# Altium PCB foxbms2-master.PcbDoc (part 1 of 11) (continued)
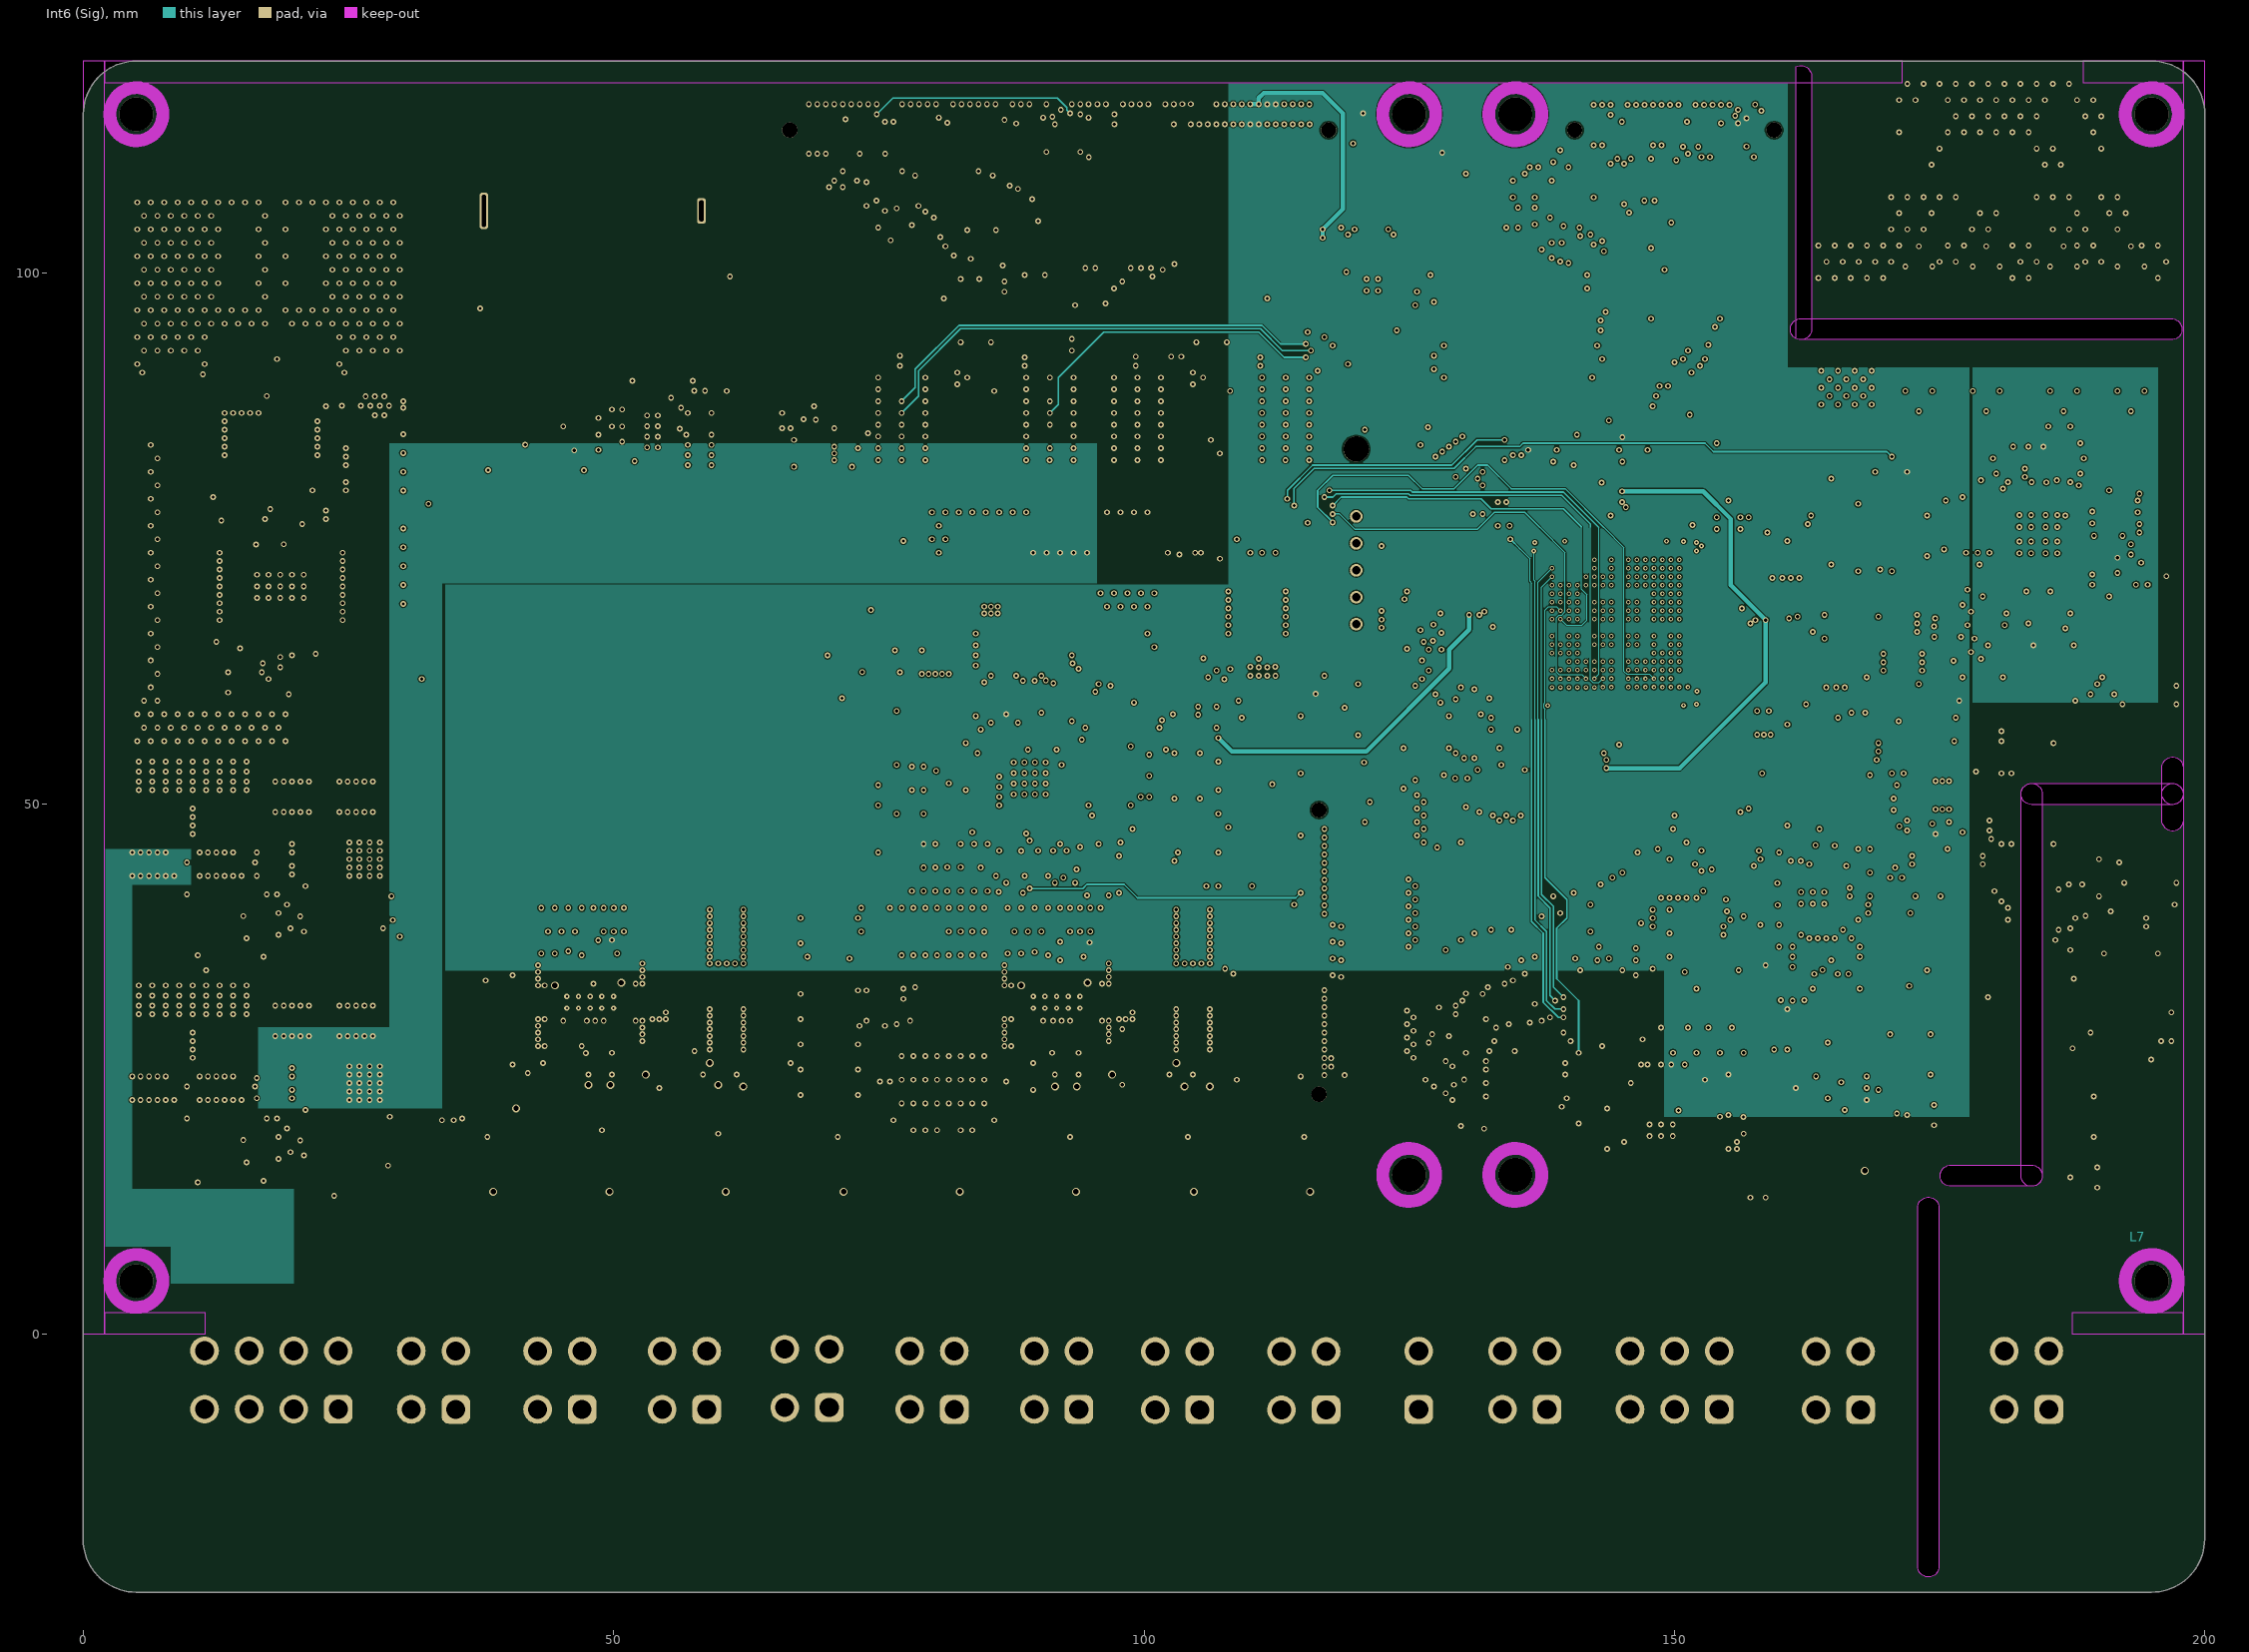
[diagram p7: Int6 (Sig)]

## Layer stack, top to bottom
Top Solder: solder mask 0.035, SM-001, Dk 4
Top: signal copper 0.018
Dielectric 1: prepreg 0.07, 1080, Dk 4.7
Dielectric 2: prepreg 0.07, 1080, Dk 4.7
Int1 (Sig): signal copper 0.035
Dielectric 3: core 0.2, Core-024, Dk 4.7
Int2 (Gnd): signal copper 0.035
Dielectric 4: prepreg 0.07, 1080, Dk 4.7
Dielectric 5: prepreg 0.115, PP-003, Dk 4.7
Dielectric 6: prepreg 0.07, 1080, Dk 4.7
Int3 (Sig): signal copper 0.035
Dielectric 7: core 0.2, Core-024, Dk 4.6
Int4 (Sig): signal copper 0.035
Dielectric 8: prepreg 0.07, 1080, Dk 4.7
Dielectric 9: prepreg 0.115, PP-003, Dk 4.7
Dielectric 10: prepreg 0.07, 1080, Dk 4.7
Int5 (Pwr): signal copper 0.035
Dielectric 11: core 0.2, Core-024, Dk 4.7
Int6 (Sig): signal copper 0.035
Dielectric 12: prepreg 0.07, 1080, Dk 4.7
Dielectric 13: prepreg 0.07, 1080, Dk 4.7
Bottom: signal copper 0.018
Bottom Solder: solder mask 0.035, SM-001, Dk 4

## Board outline
-0.016,-19.342 ccw(c4.984,-19.342) 4.984,-24.342 194.984,-24.342 ccw(c194.984,-19.342) 199.984,-19.342 200,-19.342 200,115 ccw(c195,115) 195,120 5,120 ccw(c5,115) 0,115
cut-out: 174.942,-21.907 cw(c173.942,-21.907) 172.942,-21.907 172.942,11.906 cw(c173.942,11.906) 174.942,11.906
cut-out: 195.961,53.404 cw(c196.961,53.404) 197.961,53.404 197.961,50.911 cw(c196.961,50.911) 195.961,50.911
cut-out: 197.961,48.419 cw(c196.961,48.419) 195.961,48.419 195.961,50.911 cw(c196.961,50.911) 197.961,50.911
cut-out: 183.674,15.923 cw(c183.674,14.922) 183.674,13.922 176.054,13.922 cw(c176.054,14.922) 176.054,15.923
cut-out: 161.925,93.726 cw(c161.925,94.726) 161.925,95.726 196.85,95.726 cw(c196.85,94.726) 196.85,93.726
cut-out: 162.925,94.726 cw(c161.925,94.726) 161.449,93.847 161.449,119.466 cw(c161.925,118.586) 162.925,118.586
cut-out: 182.674,50.911 cw(c183.674,50.911) 184.674,50.911 184.674,14.922 cw(c183.674,14.922) 182.674,14.922
cut-out: 183.674,49.911 cw(c183.674,50.911) 183.674,51.911 196.961,51.911 cw(c196.961,50.911) 196.961,49.911

## Design rules (kind name [scope] priority, off if disabled: settings)
AssemblyTestPointUsage [All] p1 off:
AssemblyTestpoint [(IsPad And (OnTopLayer Or OnBottomLayer)) Or (IsPad And OnMultiLayer)] p1 off: testpointundercomponent=FALSE minsize=1.016 maxsize=2.54 preferedsize=1.524 minholesize=0 maxholesize=1.016 preferedholesize=0.813 testpointgrid=0.025 usegrid=TRUE gridtolerance=0 allowsidetop=TRUE
BoardOutlineClearance [All] p1: gap=0.203 ignorepadtopadclearanceinfootprint=FALSE except(0.508: Arc-CavityEdge Track-CavityEdge SMDPad-CavityEdge THPad-CavityEdge Via-CavityEdge Fill-CavityEdge Poly-CavityEdge Region-CavityEdge Text-CavityEdge)
Clearance Clearance_ETHERNET [InNetClass('ETHERNET') vs Not InNetClass('ETHERNET')] p1: gap=0.3 ignorepadtopadclearanceinfootprint=TRUE
Clearance Clearance_iso_CAN2 [InNetClass('iso_CAN2') vs Not InNetClass('iso_CAN2')] p2: gap=0.3 ignorepadtopadclearanceinfootprint=TRUE
Clearance Clearance_mcu_fanout [WithinRoom('mcu_fanout')] p3: gap=0.102 ignorepadtopadclearanceinfootprint=TRUE
Clearance [All] p4: gap=0.102 ignorepadtopadclearanceinfootprint=TRUE except(0.152: Arc-Text Arc-Hole Track-Text Track-Hole SMDPad-Text SMDPad-Hole THPad-Text THPad-Hole Via-Text Via-Hole Fill-Text Fill-Hole Poly-Text Poly-Hole Region-Text Region-Hole Text-Text Text-Hole; 0.203: Arc-Via Track-Via SMDPad-Via THPad-Via Via-Via)
ComponentClearance ComponentClearance_Battery [InComponent('BT6401')] p1: gap=-100 collisioncheckmode=3 verticalgap=-100 showdistances=FALSE // Deactivate check on RTC battery
ComponentClearance [All] p2: gap=0.2 collisioncheckmode=3 verticalgap=0.5 showdistances=FALSE
Creepage Creepage_ETHERNET [InNetClass('ETHERNET') vs Not InNetClass('ETHERNET')] p1: checkdistance=10 ignoreinternallayers=FALSE
Creepage Creepage_iso_CAN2 [InNetClass('iso_CAN2') vs Not InNetClass('iso_CAN2')] p2: checkdistance=10 ignoreinternallayers=FALSE
DiffPairsRouting "Schematic Differential Pairs Routing_15" [InNetClass('ETHERNET_INT')] p1: maxlimit=0.318 minlimit=0.152 mostfreqgap=0.318 toplayer_minwidth=0.102 toplayer_maxwidth=0.254 toplayer_prefwidth=0.152 midlayer1_minwidth=0.102 midlayer1_maxwidth=0.254 midlayer1_prefwidth=0.152 midlayer2_minwidth=0.102 midlayer2_maxwidth=0.254 midlayer2_prefwidth=0.152 midlayer3_minwidth=0.102 midlayer3_maxwidth=0.254 midlayer3_prefwidth=0.152 midlayer4_minwidth=0.102 midlayer4_maxwidth=0.254 midlayer4_prefwidth=0.152 midlayer5_minwidth=0.102 midlayer5_maxwidth=0.254 midlayer5_prefwidth=0.152 midlayer6_minwidth=0.102 midlayer6_maxwidth=0.254 midlayer6_prefwidth=0.152 bottomlayer_minwidth=0.102 bottomlayer_maxwidth=0.254 bottomlayer_prefwidth=0.152 maxuncoupledlength=12.7
DiffPairsRouting "Schematic Differential Pairs Routing_7" [InNet('ETHERNET.RX1_1_N')] p2: maxlimit=0.318 minlimit=0.152 mostfreqgap=0.318 toplayer_minwidth=0.102 toplayer_maxwidth=0.254 toplayer_prefwidth=0.152 midlayer1_minwidth=0.102 midlayer1_maxwidth=0.254 midlayer1_prefwidth=0.152 midlayer2_minwidth=0.102 midlayer2_maxwidth=0.254 midlayer2_prefwidth=0.152 midlayer3_minwidth=0.102 midlayer3_maxwidth=0.254 midlayer3_prefwidth=0.152 midlayer4_minwidth=0.102 midlayer4_maxwidth=0.254 midlayer4_prefwidth=0.152 midlayer5_minwidth=0.102 midlayer5_maxwidth=0.254 midlayer5_prefwidth=0.152 midlayer6_minwidth=0.102 midlayer6_maxwidth=0.254 midlayer6_prefwidth=0.152 bottomlayer_minwidth=0.102 bottomlayer_maxwidth=0.254 bottomlayer_prefwidth=0.152 maxuncoupledlength=12.7
DiffPairsRouting "Schematic Differential Pairs Routing_6" [InNet('ETHERNET.RX1_1_P')] p3: maxlimit=0.318 minlimit=0.152 mostfreqgap=0.318 toplayer_minwidth=0.102 toplayer_maxwidth=0.254 toplayer_prefwidth=0.152 midlayer1_minwidth=0.102 midlayer1_maxwidth=0.254 midlayer1_prefwidth=0.152 midlayer2_minwidth=0.102 midlayer2_maxwidth=0.254 midlayer2_prefwidth=0.152 midlayer3_minwidth=0.102 midlayer3_maxwidth=0.254 midlayer3_prefwidth=0.152 midlayer4_minwidth=0.102 midlayer4_maxwidth=0.254 midlayer4_prefwidth=0.152 midlayer5_minwidth=0.102 midlayer5_maxwidth=0.254 midlayer5_prefwidth=0.152 midlayer6_minwidth=0.102 midlayer6_maxwidth=0.254 midlayer6_prefwidth=0.152 bottomlayer_minwidth=0.102 bottomlayer_maxwidth=0.254 bottomlayer_prefwidth=0.152 maxuncoupledlength=12.7
DiffPairsRouting "Schematic Differential Pairs Routing_5" [InNet('ETHERNET.RX2_1_N')] p4: maxlimit=0.318 minlimit=0.152 mostfreqgap=0.318 toplayer_minwidth=0.102 toplayer_maxwidth=0.254 toplayer_prefwidth=0.152 midlayer1_minwidth=0.102 midlayer1_maxwidth=0.254 midlayer1_prefwidth=0.152 midlayer2_minwidth=0.102 midlayer2_maxwidth=0.254 midlayer2_prefwidth=0.152 midlayer3_minwidth=0.102 midlayer3_maxwidth=0.254 midlayer3_prefwidth=0.152 midlayer4_minwidth=0.102 midlayer4_maxwidth=0.254 midlayer4_prefwidth=0.152 midlayer5_minwidth=0.102 midlayer5_maxwidth=0.254 midlayer5_prefwidth=0.152 midlayer6_minwidth=0.102 midlayer6_maxwidth=0.254 midlayer6_prefwidth=0.152 bottomlayer_minwidth=0.102 bottomlayer_maxwidth=0.254 bottomlayer_prefwidth=0.152 maxuncoupledlength=12.7
DiffPairsRouting "Schematic Differential Pairs Routing_4" [InNet('ETHERNET.RX2_1_P')] p5: maxlimit=0.318 minlimit=0.152 mostfreqgap=0.318 toplayer_minwidth=0.102 toplayer_maxwidth=0.254 toplayer_prefwidth=0.152 midlayer1_minwidth=0.102 midlayer1_maxwidth=0.254 midlayer1_prefwidth=0.152 midlayer2_minwidth=0.102 midlayer2_maxwidth=0.254 midlayer2_prefwidth=0.152 midlayer3_minwidth=0.102 midlayer3_maxwidth=0.254 midlayer3_prefwidth=0.152 midlayer4_minwidth=0.102 midlayer4_maxwidth=0.254 midlayer4_prefwidth=0.152 midlayer5_minwidth=0.102 midlayer5_maxwidth=0.254 midlayer5_prefwidth=0.152 midlayer6_minwidth=0.102 midlayer6_maxwidth=0.254 midlayer6_prefwidth=0.152 bottomlayer_minwidth=0.102 bottomlayer_maxwidth=0.254 bottomlayer_prefwidth=0.152 maxuncoupledlength=12.7
DiffPairsRouting "Schematic Differential Pairs Routing_3" [InNet('ETHERNET.TX1_1_N')] p6: maxlimit=0.318 minlimit=0.152 mostfreqgap=0.318 toplayer_minwidth=0.102 toplayer_maxwidth=0.254 toplayer_prefwidth=0.152 midlayer1_minwidth=0.102 midlayer1_maxwidth=0.254 midlayer1_prefwidth=0.152 midlayer2_minwidth=0.102 midlayer2_maxwidth=0.254 midlayer2_prefwidth=0.152 midlayer3_minwidth=0.102 midlayer3_maxwidth=0.254 midlayer3_prefwidth=0.152 midlayer4_minwidth=0.102 midlayer4_maxwidth=0.254 midlayer4_prefwidth=0.152 midlayer5_minwidth=0.102 midlayer5_maxwidth=0.254 midlayer5_prefwidth=0.152 midlayer6_minwidth=0.102 midlayer6_maxwidth=0.254 midlayer6_prefwidth=0.152 bottomlayer_minwidth=0.102 bottomlayer_maxwidth=0.254 bottomlayer_prefwidth=0.152 maxuncoupledlength=12.7
DiffPairsRouting "Schematic Differential Pairs Routing_2" [InNet('ETHERNET.TX1_1_P')] p7: maxlimit=0.318 minlimit=0.152 mostfreqgap=0.318 toplayer_minwidth=0.102 toplayer_maxwidth=0.254 toplayer_prefwidth=0.152 midlayer1_minwidth=0.102 midlayer1_maxwidth=0.254 midlayer1_prefwidth=0.152 midlayer2_minwidth=0.102 midlayer2_maxwidth=0.254 midlayer2_prefwidth=0.152 midlayer3_minwidth=0.102 midlayer3_maxwidth=0.254 midlayer3_prefwidth=0.152 midlayer4_minwidth=0.102 midlayer4_maxwidth=0.254 midlayer4_prefwidth=0.152 midlayer5_minwidth=0.102 midlayer5_maxwidth=0.254 midlayer5_prefwidth=0.152 midlayer6_minwidth=0.102 midlayer6_maxwidth=0.254 midlayer6_prefwidth=0.152 bottomlayer_minwidth=0.102 bottomlayer_maxwidth=0.254 bottomlayer_prefwidth=0.152 maxuncoupledlength=12.7
DiffPairsRouting "Schematic Differential Pairs Routing_1" [InNet('ETHERNET.TX2_1_N')] p8: maxlimit=0.318 minlimit=0.152 mostfreqgap=0.318 toplayer_minwidth=0.102 toplayer_maxwidth=0.254 toplayer_prefwidth=0.152 midlayer1_minwidth=0.102 midlayer1_maxwidth=0.254 midlayer1_prefwidth=0.152 midlayer2_minwidth=0.102 midlayer2_maxwidth=0.254 midlayer2_prefwidth=0.152 midlayer3_minwidth=0.102 midlayer3_maxwidth=0.254 midlayer3_prefwidth=0.152 midlayer4_minwidth=0.102 midlayer4_maxwidth=0.254 midlayer4_prefwidth=0.152 midlayer5_minwidth=0.102 midlayer5_maxwidth=0.254 midlayer5_prefwidth=0.152 midlayer6_minwidth=0.102 midlayer6_maxwidth=0.254 midlayer6_prefwidth=0.152 bottomlayer_minwidth=0.102 bottomlayer_maxwidth=0.254 bottomlayer_prefwidth=0.152 maxuncoupledlength=12.7
DiffPairsRouting "Schematic Differential Pairs Routing" [InNet('ETHERNET.TX2_1_P')] p9: maxlimit=0.318 minlimit=0.152 mostfreqgap=0.318 toplayer_minwidth=0.102 toplayer_maxwidth=0.254 toplayer_prefwidth=0.152 midlayer1_minwidth=0.102 midlayer1_maxwidth=0.254 midlayer1_prefwidth=0.152 midlayer2_minwidth=0.102 midlayer2_maxwidth=0.254 midlayer2_prefwidth=0.152 midlayer3_minwidth=0.102 midlayer3_maxwidth=0.254 midlayer3_prefwidth=0.152 midlayer4_minwidth=0.102 midlayer4_maxwidth=0.254 midlayer4_prefwidth=0.152 midlayer5_minwidth=0.102 midlayer5_maxwidth=0.254 midlayer5_prefwidth=0.152 midlayer6_minwidth=0.102 midlayer6_maxwidth=0.254 midlayer6_prefwidth=0.152 bottomlayer_minwidth=0.102 bottomlayer_maxwidth=0.254 bottomlayer_prefwidth=0.152 maxuncoupledlength=12.7
FabricationTestpoint [All] p1: side=1 testpointundercomponent=TRUE minsize=0.508 maxsize=7.62 preferedsize=1.524 minholesize=0 maxholesize=1.016 preferedholesize=0.813 testpointgrid=0.025 allowsidetop=TRUE usegrid=FALSE gridtolerance=0
FanoutControl Fanout_BGA [IsBGA] p1: bgadir=Out bgaviamode=Centered fanoutstyle=BGA fanoutdirection=Alternating viagrid=0.025 // Fanout_BGA (Default Rule)
HoleSize [All] p1: absolutevalues=TRUE maxlimit=5.994 minlimit=0.2 maxpercent=80.000 minpercent=20.000
HoleToHoleClearance [All] p1: gap=0.152 allowstackedmicrovias=TRUE
MinimumAnnularRing [All] p1: minimumring=0.102
MinimumSolderMaskSliver [All] p1: minsoldermaskwidth=0.102
PlaneClearance [All] p1: clearance=0.152
PlaneConnect [All] p1: planeconnectstyle=Direct reliefexpansion=0.508 reliefentries=4 reliefconductorwidth=0.254 reliefairgap=0.254
PolygonConnect PolygonConnect_relief [HasFootprint('CAPC1005X06N')] p1: thpad.connectstyle=Direct thpad.reliefconductorwidth=0.152 thpad.reliefentries=4 thpad.polygonreliefangle="90 Angle" thpad.airgapwidth=0.254 smdpad.connectstyle=Relief smdpad.reliefconductorwidth=0.152 smdpad.reliefentries=4 smdpad.polygonreliefangle="90 Angle" smdpad.airgapwidth=0.254 via.connectstyle=Direct via.reliefconductorwidth=0.254 via.reliefentries=4 via.polygonreliefangle="90 Angle" via.airgapwidth=0.254
PolygonConnect PolygonConnect_direct [All] p2: thpad.connectstyle=Relief thpad.reliefconductorwidth=0.406 thpad.reliefentries=4 thpad.polygonreliefangle="90 Angle" thpad.airgapwidth=0.254 smdpad.connectstyle=Direct smdpad.reliefconductorwidth=0.254 smdpad.reliefentries=4 smdpad.polygonreliefangle="90 Angle" smdpad.airgapwidth=0.254 via.connectstyle=Direct via.reliefconductorwidth=0.254 via.reliefentries=4 via.polygonreliefangle="90 Angle" via.airgapwidth=0.254
RoomDefinition smart-switch1 [InComponentClass('smart-switch1')] p1: confinementstyle=ConfineIn formatcopy=TRUE lockcomponents=FALSE outline 42.386,20.002 67.469,20.002 67.469,40.481 42.386,40.481
RoomDefinition rtc [InComponentClass('rtc')] p2: confinementstyle=ConfineIn formatcopy=TRUE lockcomponents=FALSE outline 34.131,79.851 63.182,79.851 63.182,118.745 34.131,118.745
RoomDefinition vref-5.0V [InComponentClass('vref-5.0V')] p3: confinementstyle=ConfineIn formatcopy=TRUE lockcomponents=FALSE outline 113.983,51.435 122.714,51.435 122.714,59.055 113.983,59.055
RoomDefinition can-transceiver1 [InComponentClass('can-transceiver1')] p4: confinementstyle=ConfineIn formatcopy=TRUE lockcomponents=FALSE outline 182.562,18.574 182.562,49.09 169.386,49.09 169.386,18.574
RoomDefinition insulation-monitoring [InComponentClass('insulation-monitoring')] p5: confinementstyle=ConfineIn formatcopy=TRUE lockcomponents=FALSE outline 129.222,35.242 129.222,19.05 142.399,19.05 142.399,35.242
RoomDefinition oscillator-25MHz [InComponentClass('oscillator-25MHz')] p6: confinementstyle=ConfineIn formatcopy=TRUE lockcomponents=FALSE outline 155.257,40.64 148.907,40.64 148.907,34.925 155.257,34.925
RoomDefinition oscillator-20MHz [InComponentClass('oscillator-20MHz')] p7: confinementstyle=ConfineIn formatcopy=TRUE lockcomponents=FALSE outline 163.512,64.929 169.862,64.929 169.862,70.644 163.512,70.644
RoomDefinition mcu_fanout [InComponent('U5000')] p8: confinementstyle=ConfineIn formatcopy=TRUE lockcomponents=FALSE outline 153.511,57.944 135.414,57.944 135.414,76.041 153.511,76.041
RoomDefinition ethernet-phy [InComponentClass('ethernet-phy')] p9: confinementstyle=ConfineIn formatcopy=TRUE lockcomponents=FALSE outline 162.877,62.706 197.802,62.706 197.802,110.966 162.877,110.966
RoomDefinition buck-boost-converter [InComponentClass('buck-boost-converter')] p10: confinementstyle=ConfineIn formatcopy=TRUE lockcomponents=FALSE outline 3.969,54.927 30.797,54.927 30.797,107.95 3.969,107.95
RoomDefinition supply-protection-30C [InComponentClass('supply-protection-30C')] p11: confinementstyle=ConfineIn formatcopy=TRUE lockcomponents=FALSE outline 3.969,54.61 3.969,33.814 28.892,33.814 28.892,54.61
RoomDefinition supply-protection-30 [InComponentClass('supply-protection-30')] p12: confinementstyle=ConfineIn formatcopy=TRUE lockcomponents=FALSE outline 3.969,33.496 3.969,12.7 28.892,12.7 28.892,33.496
RoomDefinition digital-isolator-can [InComponentClass('digital-isolator-can')] p13: confinementstyle=ConfineIn formatcopy=TRUE lockcomponents=FALSE outline 183.991,41.116 197.802,41.116 197.802,60.801 183.991,60.801
RoomDefinition sbc-mcu [InComponentClass('sbc-mcu')] p14: confinementstyle=ConfineIn formatcopy=TRUE lockcomponents=FALSE outline 74.295,41.275 113.824,41.275 113.824,78.74 74.295,78.74
RoomDefinition interlock [InComponentClass('interlock')] p15: confinementstyle=ConfineIn formatcopy=TRUE lockcomponents=FALSE outline 142.558,13.494 169.069,13.494 169.069,34.29 142.558,34.29
RoomDefinition window-watchdog [InComponentClass('window-watchdog')] p16: confinementstyle=ConfineIn formatcopy=TRUE lockcomponents=FALSE outline 166.688,48.578 182.562,48.578 182.562,60.166 166.688,60.166
RoomDefinition smart-switches [InComponentClass('smart-switches')] p17: confinementstyle=ConfineIn formatcopy=TRUE lockcomponents=FALSE outline 33.02,23.495 42.227,23.495 42.227,33.814 33.02,33.814
RoomDefinition smart-switch2 [InComponentClass('smart-switch2')] p18: confinementstyle=ConfineIn formatcopy=TRUE lockcomponents=FALSE outline 86.201,20.002 111.284,20.002 111.284,40.481 86.201,40.481
RoomDefinition sensor-hum-temp [InComponentClass('sensor-hum-temp')] p19: confinementstyle=ConfineIn formatcopy=TRUE lockcomponents=FALSE outline 71.12,86.519 66.358,86.519 66.358,80.962 71.12,80.962
RoomDefinition rs232-rs485-transceiver [InComponentClass('rs232-rs485-transceiver')] p20: confinementstyle=ConfineIn formatcopy=TRUE lockcomponents=FALSE outline 169.069,46.514 156.21,46.514 156.21,34.925 169.069,34.925
RoomDefinition port-expanders [InComponentClass('port-expanders')] p21: confinementstyle=ConfineIn formatcopy=TRUE lockcomponents=FALSE outline 93.662,92.075 93.662,94.456 90.487,94.456 90.487,92.075
RoomDefinition port-expander3 [InComponentClass('port-expander3')] p22: confinementstyle=ConfineIn formatcopy=TRUE lockcomponents=FALSE outline 96.837,81.756 115.887,81.756 115.887,94.456 96.837,94.456
RoomDefinition port-expander2 [InComponentClass('port-expander2')] p23: confinementstyle=ConfineIn formatcopy=TRUE lockcomponents=FALSE outline 74.612,81.756 93.662,81.756 93.662,94.456 74.612,94.456
RoomDefinition port-expander1 [InComponentClass('port-expander1')] p24: confinementstyle=ConfineIn formatcopy=TRUE lockcomponents=FALSE outline 85.566,21.431 85.566,40.481 72.866,40.481 72.866,21.431
RoomDefinition mram [InComponentClass('mram')] p25: confinementstyle=ConfineIn formatcopy=TRUE lockcomponents=FALSE outline 117.634,105.093 117.634,95.567 125.412,95.567 125.412,105.093
RoomDefinition fram [InComponentClass('fram')] p26: confinementstyle=ConfineIn formatcopy=TRUE lockcomponents=FALSE outline 116.522,95.567 116.522,86.519 126.682,86.519 126.682,95.567
RoomDefinition flash [InComponentClass('flash')] p27: confinementstyle=ConfineIn formatcopy=TRUE lockcomponents=FALSE outline 126.841,89.694 143.669,89.694 143.669,103.822 126.841,103.822
RoomDefinition contactor-feedback [InComponentClass('contactor-feedback')] p28: confinementstyle=ConfineIn formatcopy=TRUE lockcomponents=FALSE outline 33.02,19.209 42.227,19.209 42.227,23.336 33.02,23.336
RoomDefinition can-transceiver2 [InComponentClass('can-transceiver2')] p29: confinementstyle=ConfineIn formatcopy=TRUE lockcomponents=FALSE outline 197.961,12.7 197.961,44.767 184.785,44.767 184.785,12.7
RoutingLayers RoutingLayers_mcu_fanout_supply [InNetClass('MCU_Supply')] p1: top layer_v5=FALSE mid layer 1_v5=FALSE mid layer 2_v5=FALSE mid layer 3_v5=FALSE mid layer 4_v5=FALSE mid layer 5_v5=FALSE mid layer 6_v5=FALSE bottom layer_v5=FALSE
RoutingLayers RoutingLayers_mcu_fanout [WithinRoom('mcu_fanout')] p2: top layer_v5=TRUE mid layer 1_v5=FALSE mid layer 2_v5=TRUE mid layer 3_v5=TRUE mid layer 4_v5=TRUE mid layer 5_v5=FALSE mid layer 6_v5=TRUE bottom layer_v5=TRUE
RoutingLayers [All] p3: top layer_v5=TRUE mid layer 1_v5=TRUE mid layer 2_v5=TRUE mid layer 3_v5=TRUE mid layer 4_v5=TRUE mid layer 5_v5=TRUE mid layer 6_v5=TRUE bottom layer_v5=TRUE
RoutingVias RoutingVias_mcu_fanout [WithinRoom('mcu_fanout')] p1: holewidth=0.2 width=0.45 viastyle="Through Hole" minholewidth=0.2 minwidth=0.45 maxholewidth=0.2 maxwidth=0.45 viatemplateguid#1={D775B127-D53E-42CF-93DC-9A64D87A49E9} viatemplatename#1=0.2mm_tented
RoutingVias [All] p2: holewidth=0.203 width=0.45 viastyle="Through Hole" minholewidth=0.203 minwidth=0.45 maxholewidth=1 maxwidth=7 useviatemplates=TRUE viatemplateguid#1={D775B127-D53E-42CF-93DC-9A64D87A49E9} viatemplateguid#2={ACFF27C5-D917-4C85-B3F7-E9B7AA9FE652} viatemplateguid#3={C110B271-AF69-4746-A706-784B30023742} viatemplateguid#4={30BBC62A-55F5-47CD-8429-89646579BEFB} viatemplateguid#5={A00D4933-6D51-4761-AFCF-71602C7FDD30} viatemplateguid#6={2565D6CF-D0DA-4CF0-8ED5-0FA5FF358BA5} viatemplateguid#7={31051AAE-1368-46AA-BCC9-B00C697D549C} viatemplatename#1=0.2mm_tented viatemplatename#2=0.3mm_tented viatemplatename#3=0.4mm_tented viatemplatename#4=0.5mm_tented viatemplatename#5=0.6mm_tented viatemplatename#6=0.8mm_tented viatemplatename#7=1.0mm_tented
SMDEntry [All] p1: side=TRUE corner=TRUE anyangle=FALSE
SMDToCorner [All] p1: distance=40000
SilkToSolderMaskClearance [IsPad] p1: minsilkscreentomaskgap=0.102 clearancetoexposedcopper=FALSE
SolderMaskExpansion SolderMaskExpansion_VIAs [IsVia] p1: expansion=-10 istentingtop=FALSE // Cover all Vias
SolderMaskExpansion [All] p2: expansion=0.051 istentingtop=FALSE
SupplyNets "Schematic Supply Nets_27" [InNet('VSUP_ext_1')] p1: voltage=0.000
SupplyNets "Schematic Supply Nets_26" [InNet('MCU_5.74V')] p2: voltage=0.000
SupplyNets "Schematic Supply Nets_25" [InNet('VSUP_ext_2')] p3: voltage=0.000